# Altium PCB BoardM.PcbDoc (part 6 of 6)
Units mil, origin at the board's own origin, x right, y up, seen from the top; angles counter-clockwise.
Board outline 5068.79 x 4143.89 mil, 4 copper layers (Top Layer, GND, VCC, Bottom Layer); 308 components, 198 nets, 1036 pads, 534 vias.
Unrouted connection lines stored in the file: 1.
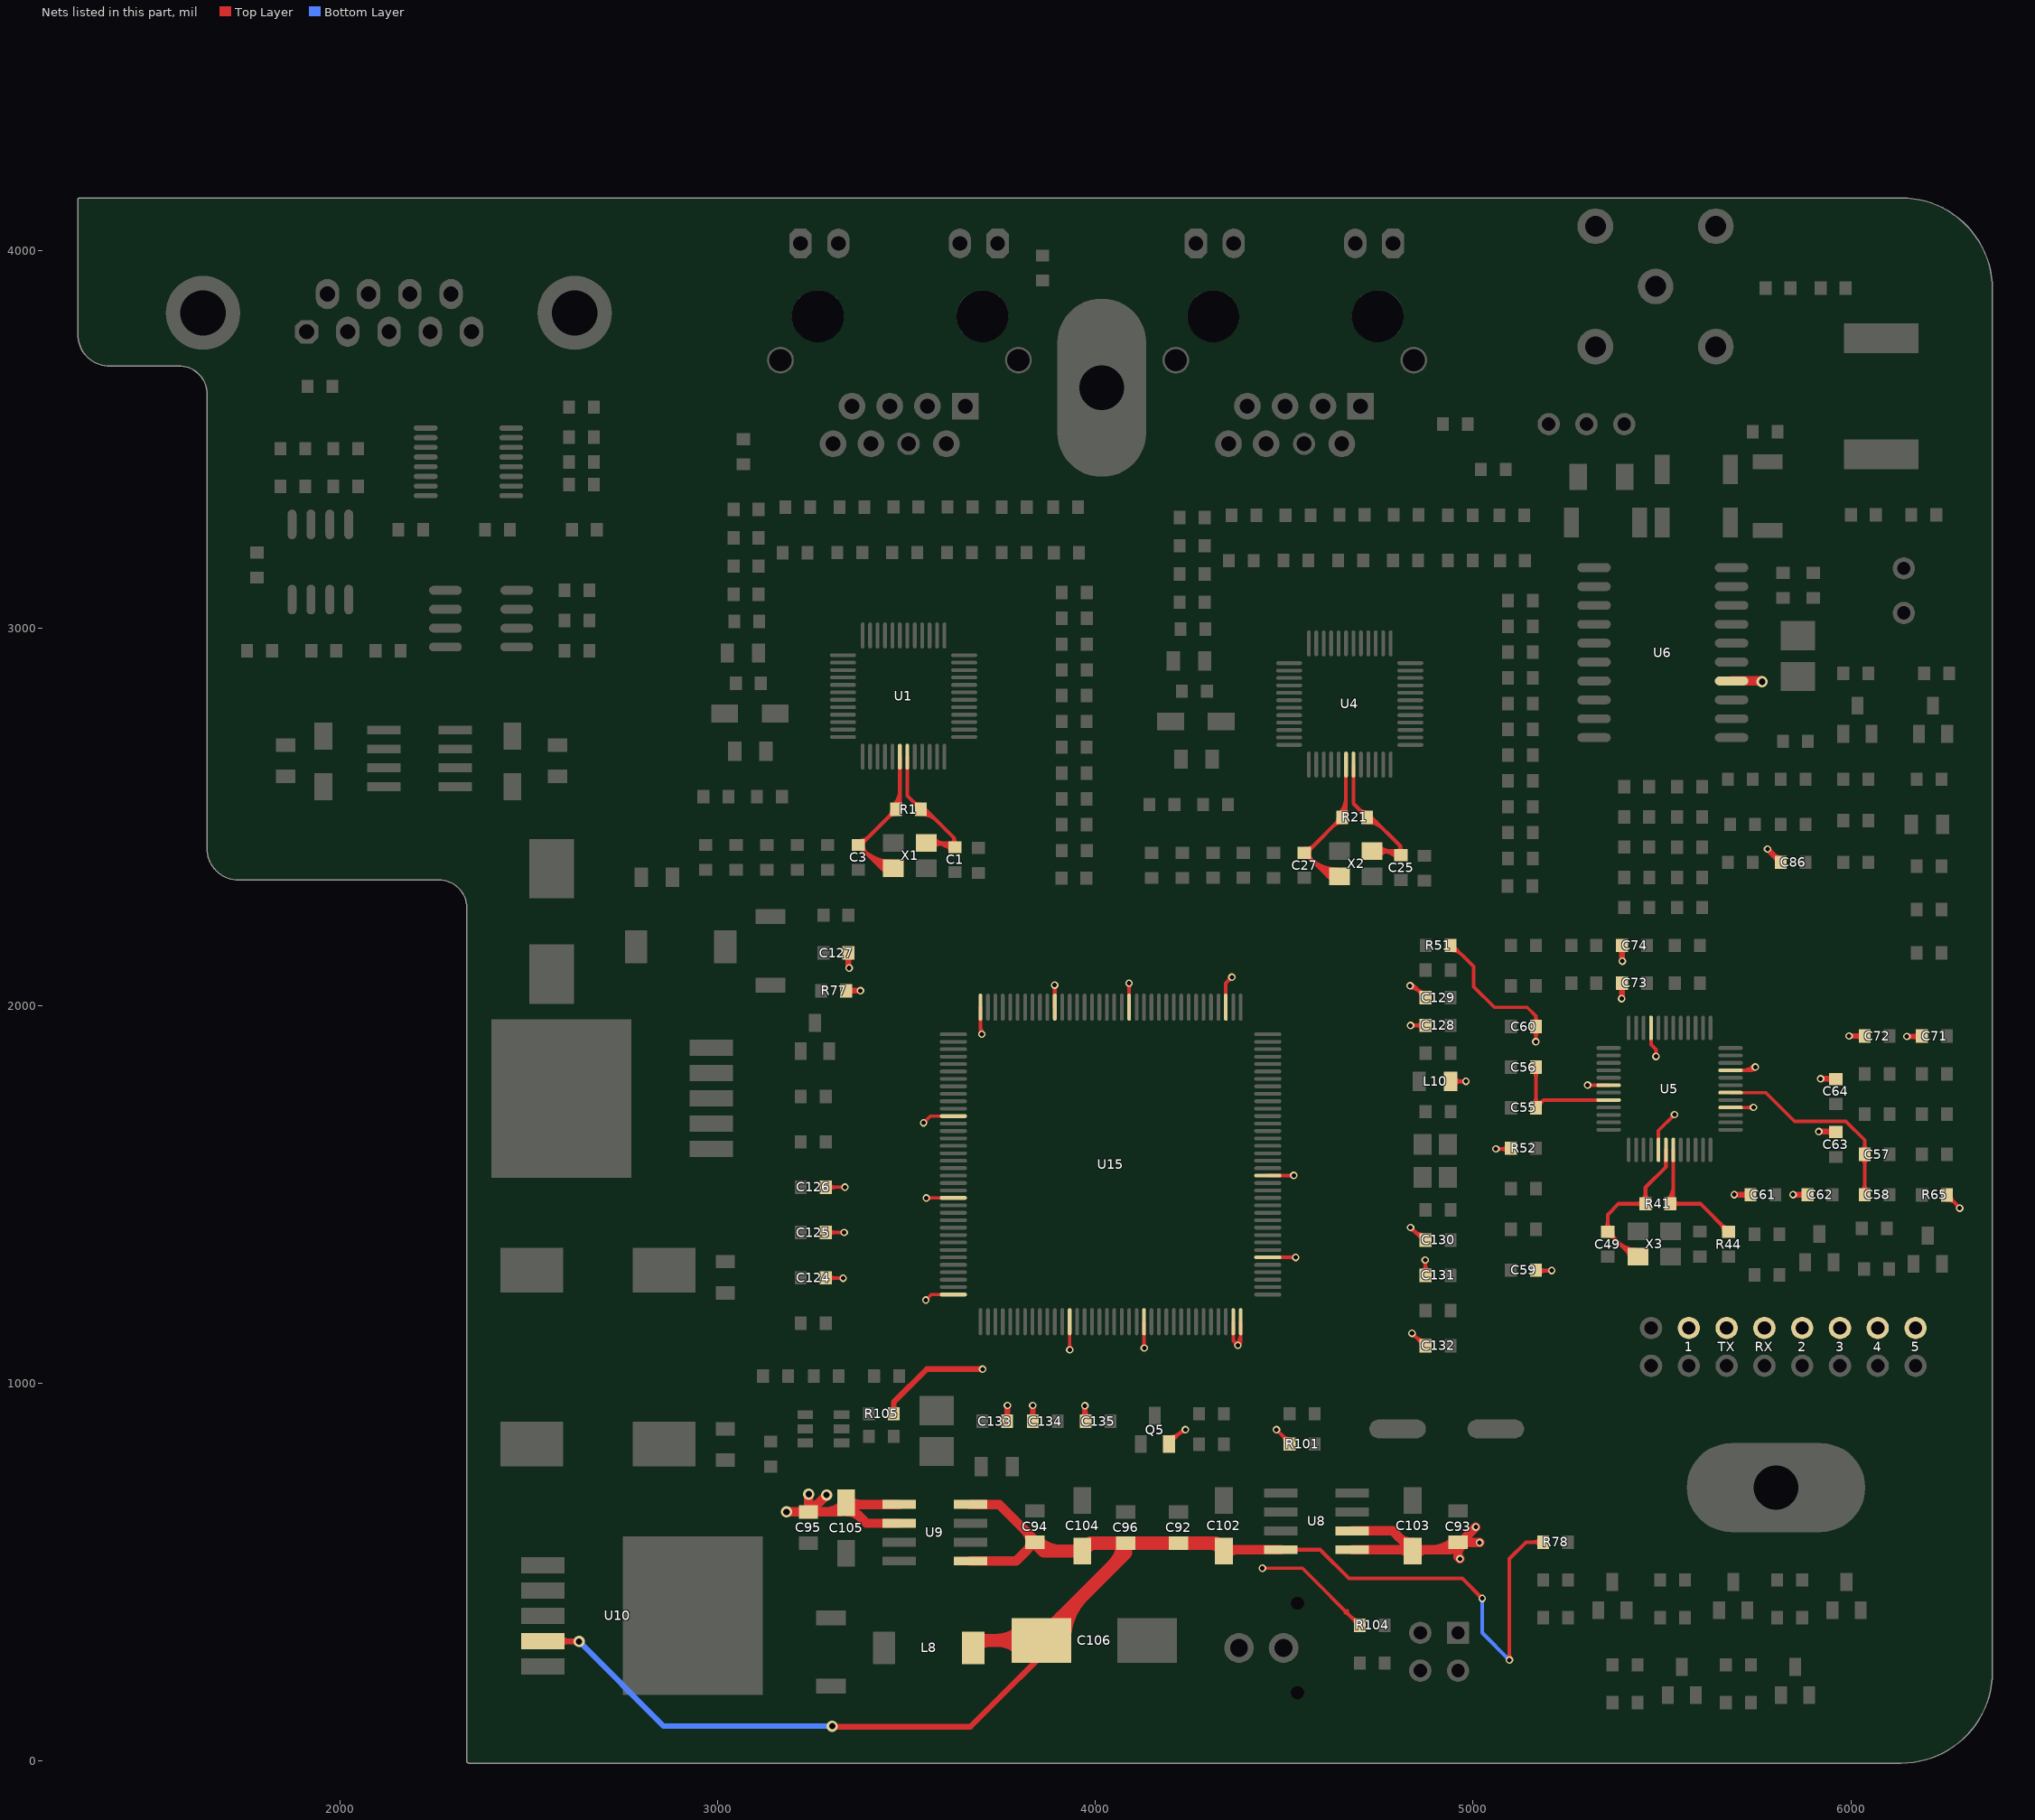
[diagram p8: the nets of this part, all layers, seen from the top]

## Via types
v1: diameter 20, hole 12, Top Layer to Bottom Layer, 480 vias
v2: diameter 30, hole 17, Top Layer to Bottom Layer, 54 vias

## Nets (pads, with @x,y where several pads share a name; then routed paths per layer and width w, separated by ;. In a path a pad name is that pad's centre, name@x,y a point inside that pad or via, vN(x,y) a via of type N, cw(c..) or ccw(c..) an arc to the next point about the centre after c; other vN are vias at no path point) (continued)
VDD3.3: C95.1 C105.2 C124.2 C125.2 C126.2 C127.2 C128.2 C129.2 C130.2 C131.2 C132.2 C133.2 C134.2 C135.2 L10.1 Q5.1 R77.1 R101.2 R104.1 R105.2 U9.1 U9.2 U15.6 U15.17 U15.39 U15.52 U15.62 U15.72 U15.84 U15.95 U15.108 U15.121 U15.131 U15.143 U15.144 | length 4249.6
  Top Layer w9: C126.2@3286,1519.66 3286.34,1520 v1(3337,1520) ; C125.2@3286.22,1400 v1(3335,1400) ; C124.2@3286.89,1279 v1(3332,1279) ; C124.2@3293.95,1271.93 cw(c3311.01,1254.88) 3311.01,1279 ; C124.2@3293.95,1287.84 ccw(c3315.3,1309.19) 3315.3,1279 ; C125.2@3293.95,1391.82 cw(c3313.69,1372.08) 3313.69,1400 ; C125.2@3293.95,1407.73 ccw(c3312.62,1426.39) 3312.62,1400 ; C126.2@3293.95,1511.71 cw(c3313.96,1491.7) 3313.96,1520 ; C126.2@3293.95,1527.62 ccw(c3312.35,1546.01) 3312.35,1520 ; v1@3328.11,1275.11 ccw(c3318.72,1265.72) 3318.72,1279 ccw(c3318.72,1292.28) v1@3328.11,1282.89 ; v1@3331.11,1396.11 ccw(c3321.72,1386.72) 3321.72,1400 ccw(c3321.72,1413.28) v1@3331.11,1403.89 ; v1@3333.11,1516.11 ccw(c3323.72,1506.72) 3323.72,1520 ccw(c3323.72,1533.28) v1@3333.11,1523.89 ; v1(3545,1690) 3562.95,1707.95 U15.84@3623.66,1707.95 ; v1@3545,1695.5 ccw(c3545,1708.78) 3554.39,1699.39 ccw(c3563.78,1690) v1@3550.5,1690 ; v1(3551,1221) 3565.51,1235.51 U15.108@3623.66,1235.51 ; v1@3552.42,1491.42 U15.95@3623.66,1491.42 ; v1@3555.89,1487.11 cw(c3566.29,1476.71) 3566.29,1491.42 ; v1@3555.89,1494.89 ccw(c3564.27,1503.27) 3564.27,1491.42 ; v1@3928.11,1092.89 ccw(c3919.37,1101.63) 3931.73,1101.63 ; v1@3931.73,1089.27 U15.121@3931.73,1163.66 ; 3931.73,1102.92 ccw(c3945.92,1102.92) v1@3935.89,1092.89 ; v1@4125.11,1097.89 ccw(c4116.73,1106.27) 4128.58,1106.27 ; v1@4128.58,1094.42 U15.131@4128.58,1163.66 ; 4128.58,1108.29 ccw(c4143.29,1108.29) v1@4132.89,1097.89 ; Q5.1@4194.8,840 4232.8,878 v1(4238,878) ; Q5.1@4194.8,850.12 ccw(c4194.8,874.56) 4212.08,857.28 ; Q5.1@4194.8,859.12 ccw(c4194.8,905.29) 4227.45,872.64 ; 4219.74,864.94 cw(c4238,846.68) v1@4238,872.5 ; v1(4442,511) 4548,511 4699,360 R104.1@4700,360 ; U15.6@4456.34,1333.94 v1@4529.94,1333.94 ; U15.17@4456.34,1550.47 v1@4524.47,1550.47 ; v1@4479,872.5 cw(c4479,859.22) 4488.39,868.61 cw(c4497.78,878) v1@4484.5,878 ; v1(4479,878) 4514,843 R101.2@4514,840 ; 4494.07,862.93 cw(c4473.11,841.97) R101.2@4502.75,841.97 ; 4496.56,860.44 ccw(c4514,877.88) R101.2@4514,853.22 ; 4510.45,1550.47 ccw(c4510.45,1565.55) v1@4521.11,1554.89 ; 4513,1550.47 cw(c4513,1539) v1@4521.11,1547.11 ; 4516.57,1333.94 ccw(c4516.57,1347.43) v1@4526.11,1337.89 ; 4516.87,1333.94 cw(c4516.87,1320.87) v1@4526.11,1330.11 ; 4661,392.5 cw(c4661,379.22) 4670.39,388.61 cw(c4679.78,398) 4666.5,398 ; 4675.73,383.27 ccw(c4700,407.54) R104.1@4700,373.22 ; 4682.9,376.1 cw(c4668.76,361.97) R104.1@4688.75,361.97 ; v1@4834,1407.5 cw(c4834,1394.22) 4843.39,1403.61 cw(c4852.78,1413) v1@4839.5,1413 ; v1(4834,1413) 4867,1380 C130.2@4874,1380 ; v1@4838,1127.5 cw(c4838,1114.22) 4847.39,1123.61 cw(c4856.78,1133) v1@4843.5,1133 ; v1(4838,1133) 4871,1100 C132.2@4874,1100 ; v1@4839.49,1407.51 ccw(c4874,1442.02) C130.2@4874,1393.22 ; 4846.32,1124.68 ccw(c4874,1152.37) C132.2@4874,1113.22 ; 4854.85,1392.15 ccw(c4874,1411.3) C130.2@4874,1384.22 ; C132.2@4858.31,1112.69 cw(c4847.59,1101.97) C132.2@4862.75,1101.97 ; C131.2@4866.05,1296.59 ccw(c4849.26,1313.38) 4873,1313.38 ; v1@4869.11,1323.11 cw(c4859.72,1313.72) 4873,1313.72 cw(c4886.28,1313.72) v1@4876.89,1323.11 ; v1@4873,1318.2 ccw(c4903.57,1318.2) C131.2@4881.95,1296.59 ; v1(4873,1327) 4873,1287.67 C131.2@4874,1286.67
  Top Layer w10: 3695.51,1945.49 ccw(c3719.49,1945.49) v1@3702.54,1928.54 ; U15.72@3695.51,1996.34 3695.51,1928.49 v1(3699,1925) ; v1@3888.46,2051.46 cw(c3879.05,2042.05) 3892.36,2042.05 ; v1(3892,2055) 3892.36,2054.64 U15.62@3892.36,1996.34 ; 3892.36,2043.8 cw(c3903.2,2043.8) v1@3895.54,2051.46 ; v1@4085.46,2056.46 cw(c4076.42,2047.42) 4089.21,2047.42 ; U15.52@4089.21,1996.34 v1@4089.21,2059.79 ; 4089.21,2048.44 cw(c4100.56,2048.44) v1@4092.54,2056.46 ; U15.39@4345.12,1996.34 4345.12,2060.12 v1(4361,2076) ; v1@4356,2076 cw(c4343.93,2076) 4352.46,2067.46 cw(c4361,2058.93) v1@4361,2071 ; U15.143@4364.8,1163.66 4364.8,1113.2 v1(4377,1101) 4384.49,1108.49 U15.144@4384.49,1163.66 ; v1@4372,1101 ccw(c4359.93,1101) 4368.46,1109.54 ccw(c4377,1118.07) v1@4377,1106 ; v1@4373.46,1104.54 ccw(c4346.85,1131.15) U15.144@4384.49,1131.15 ; v1@4833,2048 cw(c4833,2012.59) 4858.04,2037.63 ; v1(4833,2053) 4842.67,2053 C129.2@4874,2021.67 ; v1(4834,1948) C128.2@4873.67,1948 ; v1@4837.54,1944.46 cw(c4846.07,1935.93) 4846.07,1948 cw(c4846.07,1960.07) v1@4837.54,1951.54 ; 4847.25,1948 ccw(c4847.25,1975.09) C128.2@4866.4,1955.93 ; 4848.86,1948 cw(c4848.86,1923.19) C128.2@4866.4,1940.73 ; 4852.29,2043.38 ccw(c4874,2065.08) C129.2@4874,2034.38 ; 4857.04,2038.62 cw(c4842.06,2023.64) C129.2@4863.25,2023.64 ; L10.1@4940,1800 v1(4981,1800) ; L10.1@4948.99,1791.01 cw(c4970.7,1769.3) 4970.7,1800 cw(c4970.7,1830.7) L10.1@4948.99,1808.99 ; v1@4977.46,1796.46 ccw(c4968.93,1787.93) 4968.93,1800 ccw(c4968.93,1812.07) v1@4977.46,1803.54
  Top Layer w15: R77.1@3340,2040 v1(3378,2040) ; C127.2@3340.17,2132.2 cw(c3326.09,2118.12) 3346,2118.12 cw(c3365.91,2118.12) C127.2@3351.83,2132.2 ; R77.1@3345.83,2034.17 cw(c3359.91,2020.09) 3359.91,2040 cw(c3359.91,2059.91) R77.1@3345.83,2045.83 ; 3346,2110.86 ccw(c3358.86,2110.86) v1@3349.77,2101.77 ; C127.2@3346,2140 3346,2102 v1(3348,2100) ; R105.2@3460.17,927.8 ccw(c3446.09,941.88) 3466,941.88 ccw(c3485.91,941.88) R105.2@3471.83,927.8 ; R105.2@3466,920 3466,950.61 3553.39,1038 v1(3701,1038) ; C133.2@3760.17,907.8 ccw(c3743.67,924.3) 3767,924.3 ; C133.2@3767,901 v1(3767,942) ; 3767,919.47 ccw(c3783.5,919.47) C133.2@3771.83,907.8 ; C134.2@3828.17,907.8 ccw(c3814.09,921.88) 3834,921.88 ccw(c3853.91,921.88) C134.2@3839.83,907.8 ; C134.2@3834,900 v1(3834,942) ; C135.2@3972,902 v1(3972,941) ; 3972,926.71 ccw(c3998.74,926.71) C135.2@3979.83,907.8
  Top Layer w25: v2(3182,660) C95.1@3240,660 ; v2(3241,707) 3241,661 C95.1@3240,660 ; C95.1@3253.09,660 cw(c3277.45,660) C95.1@3260.23,677.23 ; 3283.87,660 ccw(c3283.87,728.25) C105.2@3332.14,679.99 ; v2(3288,705) C95.1@3243,660 ; C105.2@3340,661 cw(c3340,605.64) 3379.15,644.79 ; C105.2@3347.86,691.8 ccw(c3376.36,720.29) 3376.36,680 ; U9.2@3480,630 3393.94,630 C105.2@3343.94,680 ; U9.1@3480,680 C105.2@3343.94,680 ; C95.1@3240,660 C95.1@3243,660 ; C95.1@3243,660 3323.94,660 C105.2@3343.94,680
  other v1: 3932,1089 4129,1094 4530,1334 3552,1491 4525,1551 4089,2060
VDD5: C92.1 C94.1 C96.2 C102.2 C104.2 C106.2 L8.2 R78.2 U8.8 U9.5 U9.8 U10.4 | length 5249.1
  Top Layer w10: U8.8@4491.02,560 4595,560 4671,484 4971,484 v1(5024,431) ; U8.8@4528.32,555.18 cw(c4539.95,543.56) 4539.95,560 cw(c4539.95,576.44) U8.8@4528.32,564.82 ; v1@5019,431 ccw(c5006.93,431) 5015.46,439.54 ccw(c5024,448.07) v1@5024,436 ; v1@5092.46,271.54 ccw(c5083.93,280.07) 5096,280.07 ccw(c5108.07,280.07) v1@5099.54,271.54 ; v1(5096,268) 5096,536 5140,580 R78.2@5185,580 ; R78.2@5177.4,572.4 ccw(c5159.05,554.05) 5159.05,580 ccw(c5159.05,605.95) R78.2@5177.4,587.6
  Top Layer w15: U10.4@2538.21,317 v2(2633,317) ; U10.4@2582.44,308.2 cw(c2603.68,286.97) 2603.68,317 ; U10.4@2582.44,328.22 ccw(c2609.53,355.31) 2609.53,317 ; v2@2627.7,311.7 ccw(c2614.89,298.89) 2614.89,317 ccw(c2614.89,335.11) v2@2627.7,322.3 ; v2@3303,91 3669,91 C106.2@3927,349
  Top Layer w25: U9.5@3668.98,530 3790,530 C94.1@3840,580 3840,585 3745,680 U9.8@3668.98,680 ; 3814.12,610.88 cw(c3783.24,580) 3826.91,580 cw(c3795.31,580) 3817.65,557.65 ; C102.2@4340,556.06 4343.94,560 U8.8@4491.02,560 ; C102.2@4347.86,548.2 cw(c4376.36,519.71) 4376.36,560
  Top Layer w35: L8.2@3684.73,305.27 cw(c3720.27,269.73) 3720.27,320 ; L8.2@3696.22,320 3848,320 4080,552 C96.2@4080,577.32 ; C106.2@3807.78,290.62 ccw(c3736.84,219.68) 3736.84,320 ccw(c3736.84,420.32) C106.2@3807.78,349.38 ; C94.1@3840,580 3863.94,556.06 C104.2@3965,556.06 3986.26,577.32 C96.2@4080,577.32 ; C94.1@3848.03,580.15 ccw(c3906.19,638.31) 3906.19,556.06 ; C106.2@3883.09,320 cw(c3967.81,320) 3907.9,379.9 ; C106.2@3918.09,320 cw(c4087.3,320) 3967.65,439.65 ; C104.2@3969.33,563.55 cw(c4002.59,530.28) 4002.59,577.32 ; 4048.28,520.28 ccw(c3991.24,577.32) C96.2@4071.91,577.32 ; 4302.41,577.32 cw(c4302.41,530.28) C102.2@4335.67,563.55 ; C102.2@4340,556.06 4318.74,577.32 C96.2@4080,577.32
  Bottom Layer w10: v1@5020.46,427.46 cw(c5011.93,418.93) 5024,418.93 cw(c5036.07,418.93) v1@5027.54,427.46 ; v1(5024,431) 5024,340 v1(5096,268) ; v1@5091,268 ccw(c5078.93,268) 5087.46,276.54 ccw(c5096,285.07) v1@5096,273
  Bottom Layer w15: v2(2633,317) 2857,93 v2(3303,93)
VDD-3.3: 1.1 2.1 3.1 4.1 5.1 C59.2 C60.2 C61.2 C62.2 C63.2 C64.2 C71.2 C72.2 C73.2 C74.2 C86.2 C93.1 C103.2 R51.2 R52.2 R65.2 RX.1 TX.1 U5.9 U5.18 U5.29 U5.40 U5.45 U6.7 U8.1 U8.2 | length 2922.4
  Top Layer w9: R51.2@4940.15,2146.78 cw(c4940.15,2101.19) 4972.39,2133.43 ; R51.2@4940.15,2155.78 cw(c4940.15,2131.91) 4957.03,2148.79 ; R51.2@4940.15,2160 4945.82,2160 5001.5,2104.32 5001.5,2050.5 5056,1996 5143,1996 5166,1973 ; C60.2@5158.05,1935.08 cw(c5138.84,1915.88) 5166,1915.88 cw(c5193.16,1915.88) C60.2@5173.95,1935.08 ; C60.2@5158.29,1955.16 ccw(c5141.5,1973) 5166,1973 ; v1@5162.11,1908.89 ccw(c5152.72,1918.28) 5166,1918.28 ccw(c5179.28,1918.28) v1@5169.89,1908.89 ; v1(5166,1905) C60.2@5166,1945 5166,1973 ; C60.2@5173.71,1955.16 cw(c5190.5,1973) 5166,1973 ; v1(5303,1790) 5303.16,1789.84 U5.18@5358.58,1789.84 ; v1@5306.89,1786.11 cw(c5315.9,1777.1) 5315.9,1789.84 ; v1@5306.89,1793.89 ccw(c5316.66,1803.66) 5316.66,1789.84 ; U5.9@5470.79,1941.42 5470.79,1897.21 5484,1884 v1(5484,1866) ; v1@5480.11,1869.89 ccw(c5470.72,1879.28) 5484,1879.28 ccw(c5497.28,1879.28) v1@5487.89,1869.89 ; U5.29@5490.47,1618.58 5490.47,1669.47 v1(5533,1712) ; U5.40@5681.42,1730.79 v1@5741.79,1730.79 ; U5.45@5681.42,1829.21 5738.21,1829.21 v1(5747,1838) ; U5.45@5712.51,1829.21 ccw(c5712.51,1872.49) v1@5743.11,1841.89 ; 5728.21,1730.79 ccw(c5728.21,1744.79) v1@5738.11,1734.89 ; 5729.24,1730.79 cw(c5729.24,1718.24) v1@5738.11,1727.11 ; 5734.24,1829.21 ccw(c5734.24,1850.76) v1@5749.47,1835.53 ; R65.2@6254,1486.22 cw(c6254,1454.32) 6276.56,1476.88 ; R65.2@6254,1499.44 6288,1465.44 v1(6288,1464) ; R65.2@6265.25,1497.47 ccw(c6287.65,1497.47) 6271.81,1481.63 ; 6277.59,1475.85 cw(c6265.74,1464) v1@6282.5,1464 ; 6281.07,1472.37 ccw(c6288,1479.3) v1@6288,1469.5
  Top Layer w10: v1(5060,1621) R52.2@5097.79,1621 ; v1@5063.54,1617.46 cw(c5072.07,1608.93) 5072.07,1621 cw(c5072.07,1633.07) v1@5063.54,1624.54 ; 5073.68,1621 ccw(c5073.68,1647.26) R52.2@5092.25,1628.69 ; 5074.12,1621 cw(c5074.12,1595.36) R52.2@5092.25,1613.49 ; C59.2@5167,1299 v1(5208,1299) ; C59.2@5173.6,1290.43 cw(c5194.29,1269.75) 5194.29,1299 ; C59.2@5173.6,1305.63 ccw(c5189.61,1321.64) 5189.61,1299 ; v1@5204.46,1295.46 ccw(c5195.93,1286.93) 5195.93,1299 ccw(c5195.93,1311.07) v1@5204.46,1302.54
  Top Layer w15: C73.2@5388.17,2052.2 cw(c5374.09,2038.12) 5394,2038.12 cw(c5413.91,2038.12) C73.2@5399.83,2052.2 ; C74.2@5388.17,2152.2 cw(c5374.09,2138.12) 5394,2138.12 cw(c5413.91,2138.12) C74.2@5399.83,2152.2 ; v1@5394,2020 C73.2@5394,2060 ; v1@5394,2119 C74.2@5394,2160 ; v1(5691,1500) C61.2@5734,1500 ; C61.2@5728.17,1494.17 ccw(c5714.09,1480.09) 5714.09,1500 ccw(c5714.09,1519.91) C61.2@5728.17,1505.83 ; v1(5779,2415) C86.2@5814,2380 ; 5796.56,2397.44 ccw(c5814,2414.88) C86.2@5814,2390.22 ; C86.2@5801.31,2392.69 cw(c5790.59,2381.97) C86.2@5805.75,2381.97 ; v1(5847,1500) C62.2@5885.28,1500 ; C62.2@5879.45,1494.17 ccw(c5865.37,1480.09) 5865.37,1500 ccw(c5865.37,1519.91) C62.2@5879.45,1505.83 ; v1(5915,1667) C63.2@5959,1667 ; v1(5920,1807) C64.2@5959,1807 ; 5935.7,1667 cw(c5935.7,1643.67) C63.2@5952.2,1660.17 ; 5935.7,1807 cw(c5935.7,1783.67) C64.2@5952.2,1800.17 ; 5940.53,1667 ccw(c5940.53,1683.5) C63.2@5952.2,1671.83 ; 5940.53,1807 ccw(c5940.53,1823.5) C64.2@5952.2,1811.83 ; v1(5995,1920) C72.2@6036.57,1920 ; C72.2@6030.73,1914.17 ccw(c6016.65,1900.09) 6016.65,1920 ccw(c6016.65,1939.91) C72.2@6030.73,1925.83 ; v1(6148,1919) C71.2@6186.85,1919 ; 6165.6,1919 cw(c6165.6,1895.78) C71.2@6182.02,1912.2 ; 6170.28,1919 ccw(c6170.28,1935.61) C71.2@6182.02,1923.86
  Top Layer w25: U8.1@4680,560 4940,560 C93.1@4960,580 ; U8.2@4680,610 4786.06,610 C103.2@4840,556.06 ; 4800.85,595.21 ccw(c4840,634.36) C103.2@4840,579 ; 4803.64,560 cw(c4803.64,519.71) C103.2@4832.14,548.2 ; C103.2@4847.86,548.2 cw(c4876.36,519.71) 4876.36,560 ; 4891.25,560 ccw(c4891.25,640.88) C93.1@4948.44,583.69 ; 4951.6,560 ccw(c4951.6,580.52) C93.1@4966.12,566.01 ; v1(4965,536) 4960,541 C93.1@4960,580 ; v1(5007,620) 4967,580 C93.1@4960,580 ; v1(5017,579) 4961,579 C93.1@4960,580 ; U6.7@5684.17,2860 v2@5763,2860
  other v1: 5742,1731 5393,2019 5395,2118
  other v2: 5765,2858
VDD_CORE: C55.2 C56.2 C57.2 C58.2 U5.20 U5.42 | length 1112.7
  Top Layer w9: C55.2@5158.05,1739.92 ccw(c5138.84,1759.12) 5166,1759.12 ccw(c5193.16,1759.12) C55.2@5173.95,1739.92 ; C56.2@5158.05,1827.58 cw(c5138.84,1808.38) 5166,1808.38 cw(c5193.16,1808.38) C56.2@5173.95,1827.58 ; C56.2@5166,1837.5 C55.2@5166,1730 5186.47,1750.47 ; C55.2@5166.84,1743.19 ccw(c5168.71,1768.23) 5186.47,1750.47 ; C55.2@5177.25,1731.97 cw(c5199.65,1731.97) 5183.81,1747.81 ; U5.20@5358.58,1750.47 5186.47,1750.47 ; U5.42@5681.42,1770.16 5774.84,1770.16 5850.75,1694.25 5986.75,1694.25 6036.57,1644.43 C57.2@6036.57,1606.67 C58.2@6036.57,1500 ; C58.2@6028.61,1509.92 ccw(c6009.41,1529.12) 6036.57,1529.12 ccw(c6063.72,1529.12) C58.2@6044.52,1509.92 ; C57.2@6028.61,1596.74 cw(c6009.41,1577.54) 6036.57,1577.54 cw(c6063.72,1577.54) C57.2@6044.52,1596.74 ; C57.2@6028.61,1616.59 ccw(c6009.41,1635.79) 6036.57,1635.79 ccw(c6063.72,1635.79) C57.2@6044.52,1616.59
XI1: C3.2 R1.1 U1.30 X1.1 | length 849.7
  Top Layer w10: C3.2@3373.97,2415.25 cw(c3373.97,2394.06) 3388.96,2409.04 ; C3.2@3373.97,2436.75 ccw(c3373.97,2472.43) 3399.2,2447.2 ; C3.2@3385.54,2412.46 ccw(c3457.7,2484.63) X1.1@3460.54,2382.61 ; C3.2@3389.47,2437.47 ccw(c3400.93,2426) 3384.72,2426 ccw(c3415.42,2426) 3393.71,2404.29 ; 3401.95,2396.05 ccw(c3458.59,2452.68) X1.1@3460.82,2372.62 ; 3418.37,2379.63 ccw(c3459.48,2420.73) X1.1@3461.1,2362.62 ; 3434.79,2363.21 ccw(c3460.37,2388.79) X1.1@3461.38,2352.63 ; X1.1@3443.67,2357.35 ccw(c3434,2353.65) 3434,2364 ; X1.1@3443.67,2370.65 cw(c3434,2374.35) 3434,2364 ; 3450.29,2498.29 cw(c3472,2476.58) R1.1@3472,2507.28 ; 3455.04,2503.04 ccw(c3440.06,2518.03) R1.1@3461.25,2518.03 ; R1.1@3464.4,2529.57 ccw(c3421.53,2572.44) 3482.16,2572.44 ; X1.1@3465,2364 3434,2364 ; R1.1@3471.47,2522.5 ccw(c3445.67,2548.3) 3482.16,2548.3 ; U1.30@3482.16,2659.57 3482.16,2530.16 3378,2426 C3.2@3372,2426 3434,2364
XI2: C27.2 R21.1 U4.30 X2.1 | length 849.7
  Top Layer w10: C27.2@4554.97,2394.25 cw(c4554.97,2373.06) 4569.96,2388.04 ; C27.2@4554.97,2415.75 ccw(c4554.97,2451.43) 4580.2,2426.2 ; C27.2@4566.54,2391.46 ccw(c4638.7,2463.63) X2.1@4641.54,2361.61 ; C27.2@4570.47,2416.47 ccw(c4581.93,2405) 4565.72,2405 ccw(c4596.42,2405) 4574.71,2383.29 ; 4582.95,2375.05 ccw(c4639.59,2431.68) X2.1@4641.82,2351.62 ; 4599.37,2358.63 ccw(c4640.48,2399.73) X2.1@4642.1,2341.62 ; 4615.79,2342.21 ccw(c4641.37,2367.79) X2.1@4642.38,2331.63 ; X2.1@4624.67,2336.35 ccw(c4615,2332.65) 4615,2343 ; X2.1@4624.67,2349.65 cw(c4615,2353.35) 4615,2343 ; 4631.29,2477.29 cw(c4653,2455.58) R21.1@4653,2486.28 ; 4636.04,2482.04 ccw(c4621.06,2497.03) R21.1@4642.25,2497.03 ; R21.1@4645.4,2508.57 ccw(c4602.53,2551.44) 4663.16,2551.44 ; X2.1@4646,2343 4615,2343 ; R21.1@4652.47,2501.5 ccw(c4626.67,2527.3) 4663.16,2527.3 ; U4.30@4663.16,2638.57 4663.16,2509.16 4559,2405 C27.2@4553,2405 4615,2343
XIN: C49.1 R41.1 U5.30 X3.1 | length 698.8
  Top Layer w10: C49.1@5348.4,1409.45 ccw(c5330.05,1427.8) 5356,1427.8 ccw(c5381.95,1427.8) C49.1@5363.6,1409.45 ; C49.1@5357.97,1391.1 cw(c5357.97,1369.91) 5372.96,1384.89 ; C49.1@5368.72,1401.85 ccw(c5399.42,1401.85) 5377.71,1380.14 ; 5382.84,1375.01 ccw(c5432.06,1424.23) X3.1@5432.06,1354.62 ; 5399.91,1357.94 ccw(c5432.06,1390.09) X3.1@5432.06,1344.62 ; 5407.49,1350.36 cw(c5393.14,1336) X3.1@5413.44,1336 ; X3.1@5436,1336 5421.85,1336 C49.1@5356,1401.85 5356,1447 5385,1476 R41.1@5456,1476 5456,1519 5510.16,1573.16 U5.30@5510.16,1618.58 ; R41.1@5448.4,1468.4 ccw(c5430.05,1450.05) 5430.05,1476 ccw(c5430.05,1501.95) R41.1@5448.4,1483.6 ; R41.1@5448.4,1485.57 ccw(c5430.05,1503.92) 5456,1503.92 ccw(c5481.95,1503.92) R41.1@5463.6,1485.57
XO1: C1.2 R1.2 U1.31 X1.3 | length 664.1
  Top Layer w10: U1.31@3501.84,2659.57 3501.84,2556.16 R1.2@3538,2520 3550,2520 3626,2444 ; 3516.29,2541.71 ccw(c3538,2563.42) R1.2@3538,2532.72 ; 3521.04,2536.96 cw(c3506.06,2521.97) R1.2@3527.25,2521.97 ; R1.2@3538,2507.28 cw(c3538,2447.61) 3580.19,2489.81 ; R1.2@3538,2517.28 cw(c3538,2481.75) 3563.12,2506.88 ; X1.3@3551.61,2430.93 3626,2430.93 3626,2444 ; X1.3@3568.72,2417.76 cw(c3600.51,2385.97) 3600.51,2430.93 cw(c3600.51,2475.89) X1.3@3568.72,2444.1 ; X1.3@3573.7,2430.93 cw(c3573.7,2367.67) C1.2@3618.43,2412.4 ; 3597.84,2430.93 cw(c3597.84,2391.81) C1.2@3625.5,2419.47 ; C1.2@3618.86,2428 ccw(c3604.52,2444) 3626,2444 ; C1.2@3633.17,2428.03 cw(c3647.36,2444) 3626,2444
XO2: C25.2 R21.2 U4.31 X2.3 | length 664.1
  Top Layer w10: U4.31@4682.84,2638.57 4682.84,2535.16 R21.2@4719,2499 4731,2499 4807,2423 ; 4697.29,2520.71 ccw(c4719,2542.42) R21.2@4719,2511.72 ; 4702.04,2515.96 cw(c4687.06,2500.97) R21.2@4708.25,2500.97 ; R21.2@4719,2486.28 cw(c4719,2426.61) 4761.19,2468.81 ; R21.2@4719,2496.28 cw(c4719,2460.75) 4744.12,2485.88 ; X2.3@4732.61,2409.93 4807,2409.93 4807,2423 ; X2.3@4749.72,2396.76 cw(c4781.51,2364.97) 4781.51,2409.93 cw(c4781.51,2454.89) X2.3@4749.72,2423.1 ; X2.3@4754.7,2409.93 cw(c4754.7,2346.67) C25.2@4799.43,2391.4 ; 4778.84,2409.93 cw(c4778.84,2370.81) C25.2@4806.5,2398.47 ; C25.2@4799.86,2407 ccw(c4785.52,2423) 4807,2423 ; C25.2@4814.17,2407.03 cw(c4828.36,2423) 4807,2423
XOUT: R41.2 R44.1 U5.31 | length 464.8
  Top Layer w10: R41.2@5514.4,1485.57 ccw(c5477.12,1522.85) 5529.84,1522.85 ; R41.2@5521.47,1478.5 ccw(c5501.26,1498.71) 5529.84,1498.71 ; R41.2@5522,1476 5601.85,1476 R44.1@5676,1401.85 ; R41.2@5529.6,1468.4 cw(c5547.95,1450.05) 5547.95,1476 cw(c5547.95,1501.95) R41.2@5529.6,1483.6 ; R41.2@5529.84,1483.84 U5.31@5529.84,1618.58 ; 5654.29,1423.56 cw(c5632.58,1401.85) R44.1@5663.28,1401.85 ; 5659.04,1418.81 ccw(c5674.03,1433.79) R44.1@5674.03,1412.6
pads on no net: J1.4 J1.7 J1.8 J1.9 R72.3 U1.7 U1.12 U1.13 U1.18 U1.24 U1.26 U1.46 U1.47 U2.0 U2.7 U3.0 U3.7 U4.7 U4.12 U4.13 U4.18 U4.24 U4.26 U4.46 U4.47 U6.3 U6.8 U6.12 U7.4 U8.4 U9.4 U12.12 U12.14 U15.1 U15.2 U15.3 U15.4 U15.5 U15.7 U15.8 U15.9 U15.10 U15.11 U15.12 U15.13 U15.14 U15.15 U15.18 U15.19 U15.20 U15.21 U15.22 U15.26 U15.27 U15.28 U15.29 U15.37 U15.44 U15.46 U15.47 U15.49 U15.50 U15.53 U15.54 U15.55 U15.56 U15.57 U15.58 U15.59 U15.60 U15.63 U15.64 U15.68 U15.69 U15.70 U15.79 U15.85 U15.86 U15.87 U15.88 U15.89 U15.90 U15.91 U15.93 U15.96 U15.97 U15.98 U15.99 U15.100 U15.103 U15.104 U15.115 U15.116 U15.117 U15.118 U15.119 U15.122 U15.123 U15.124 U15.126 U15.127 U15.128 U15.129 U15.132 U15.135 U15.136

## Polygon pours and split planes (outlines as drawn)
VCC15 on VCC "Bottom Layer-No Net" (solid, remove dead copper, pour order 1000): 2340.85,2254 2341.85,2255 3135,2255 3135,1097 3136,1096 3660,1096 3660,749 3658,751 3119,751 3119,477 3121,479 4585,479 4585,2 4583,0 2340.85,0
VDD3.3 on VCC "Bottom Layer-No Net" (solid, remove dead copper, pour order 12): 3135,2255 5040,2255 5040,979 5041,978 4700,978 4700,478 4699,479 3121,479 3121,748.5 3119,750.5 3120.33,751.83 3660,751.83 3660,1096 3659,1097 3135,1097
VCC-3.3 on VCC "Bottom Layer-No Net" (solid, remove dead copper, pour order 10): 1310.85,4133.86 2882,4133.86 2884,4131.86 2884,2258 1449,2258 1440,2249
3V3A1 on VCC "Bottom Layer-No Net" (solid, remove dead copper, pour order 8): 2883,4133.86 4065,4133.86 4065,2798 4066,2797 4063,2800 2882,2800
3V3A2 on VCC "Bottom Layer-No Net" (solid, remove dead copper, pour order 6): 4065,4133.86 5257,4133.86 5263,4127.86 5263,3658 5263,2798 5261,2800 4063,2800
3V3D1 on VCC "Bottom Layer-No Net" (solid, remove dead copper, pour order 4): 2882,2799 4062,2799 4063,2800 4065,2798 4065,2255 2882,2255 2881,2254
3V3D2 on VCC "Bottom Layer-No Net" (solid, remove dead copper, pour order 2): 4065,2800.83 4067.33,2803.16 5263,2803.16 5263,2256 5262,2255 4066,2255
VDD-3.3 on VCC "Bottom Layer-No Net" (solid, remove dead copper, pour order 0): 5254,4124 6326,4124 6379,4071 6368,4060 6368,3910 6368,97 6262,-9 6253,0 6133.39,0 4585,0 4585,479 4699.59,479 4700,479.41 4700,978 5039,978 5040,979 5040,2253.98 5260.98,2253.98 5262,2255 5257,2260 5257,4133.86
GND on GND "Bottom Layer-No Net" (solid, remove dead copper, pour order 1002): 915,4574 1161,4328 7832,4328 7832,198 7216,-418 7182,-384 1452,-384
GND on Top Layer "Bottom Layer-No Net" (solid, remove dead copper, pour order 1004): 613,4574 7194,4574 7295,4675 7026,4406 7026,-227 1307,-227 1251,-283
GND on Bottom Layer "Bottom Layer-No Net" (solid, remove dead copper, pour order 1006): 863,4854 1127,4590 8179,4590 8179,937 6591,-651 6387,-447 751,-447

## Keep-outs
Keep-Out Layer:
  lines w10: 2340.85,2259.26 ccw(c2262.11,2259.26) 2262.11,2338 1731.59,2338 cw(c1731.59,2416.74) 1652.85,2416.74 1652.85,3620 ccw(c1574.11,3620) 1574.11,3698.74 1389.59,3698.74 cw(c1389.59,3777.48) 1310.85,3777.48 1310.85,4133.86 6133.39,4133.86 cw(c6133.39,3897.64) 6369.61,3897.64 6369.61,236.22 cw(c6133.39,236.22) 6133.39,0 2340.85,0 2340.85,2262.26

## Silkscreen, mask and mechanical layers (free items; w line width, h text height)
Top Overlay:
  lines w8: 3135,1096 3135,1098
  text "载波通信第二版" at 5716,2219 h50
  text "2016年6月" at 5773,2125 h50
  text "TMS" at 5023,294 h40
  text "TCK" at 5158,293 h40
  text "RST" at 5165,202 h40
  text "GND" at 5027,200 h40

## Text inside footprints (layer, text, board x,y; h text height)
J1: Top Overlay "9" at 2369.79,3854.45 h50; Top Overlay "5" at 2389.79,3754.45 h50; Top Overlay "1" at 1849.79,3754.45 h50; Top Overlay "6" at 1849.79,3854.45 h50